# Altium PCB Audio-Streamer-Mainboard.PcbDoc (part 1 of 7) (continued)
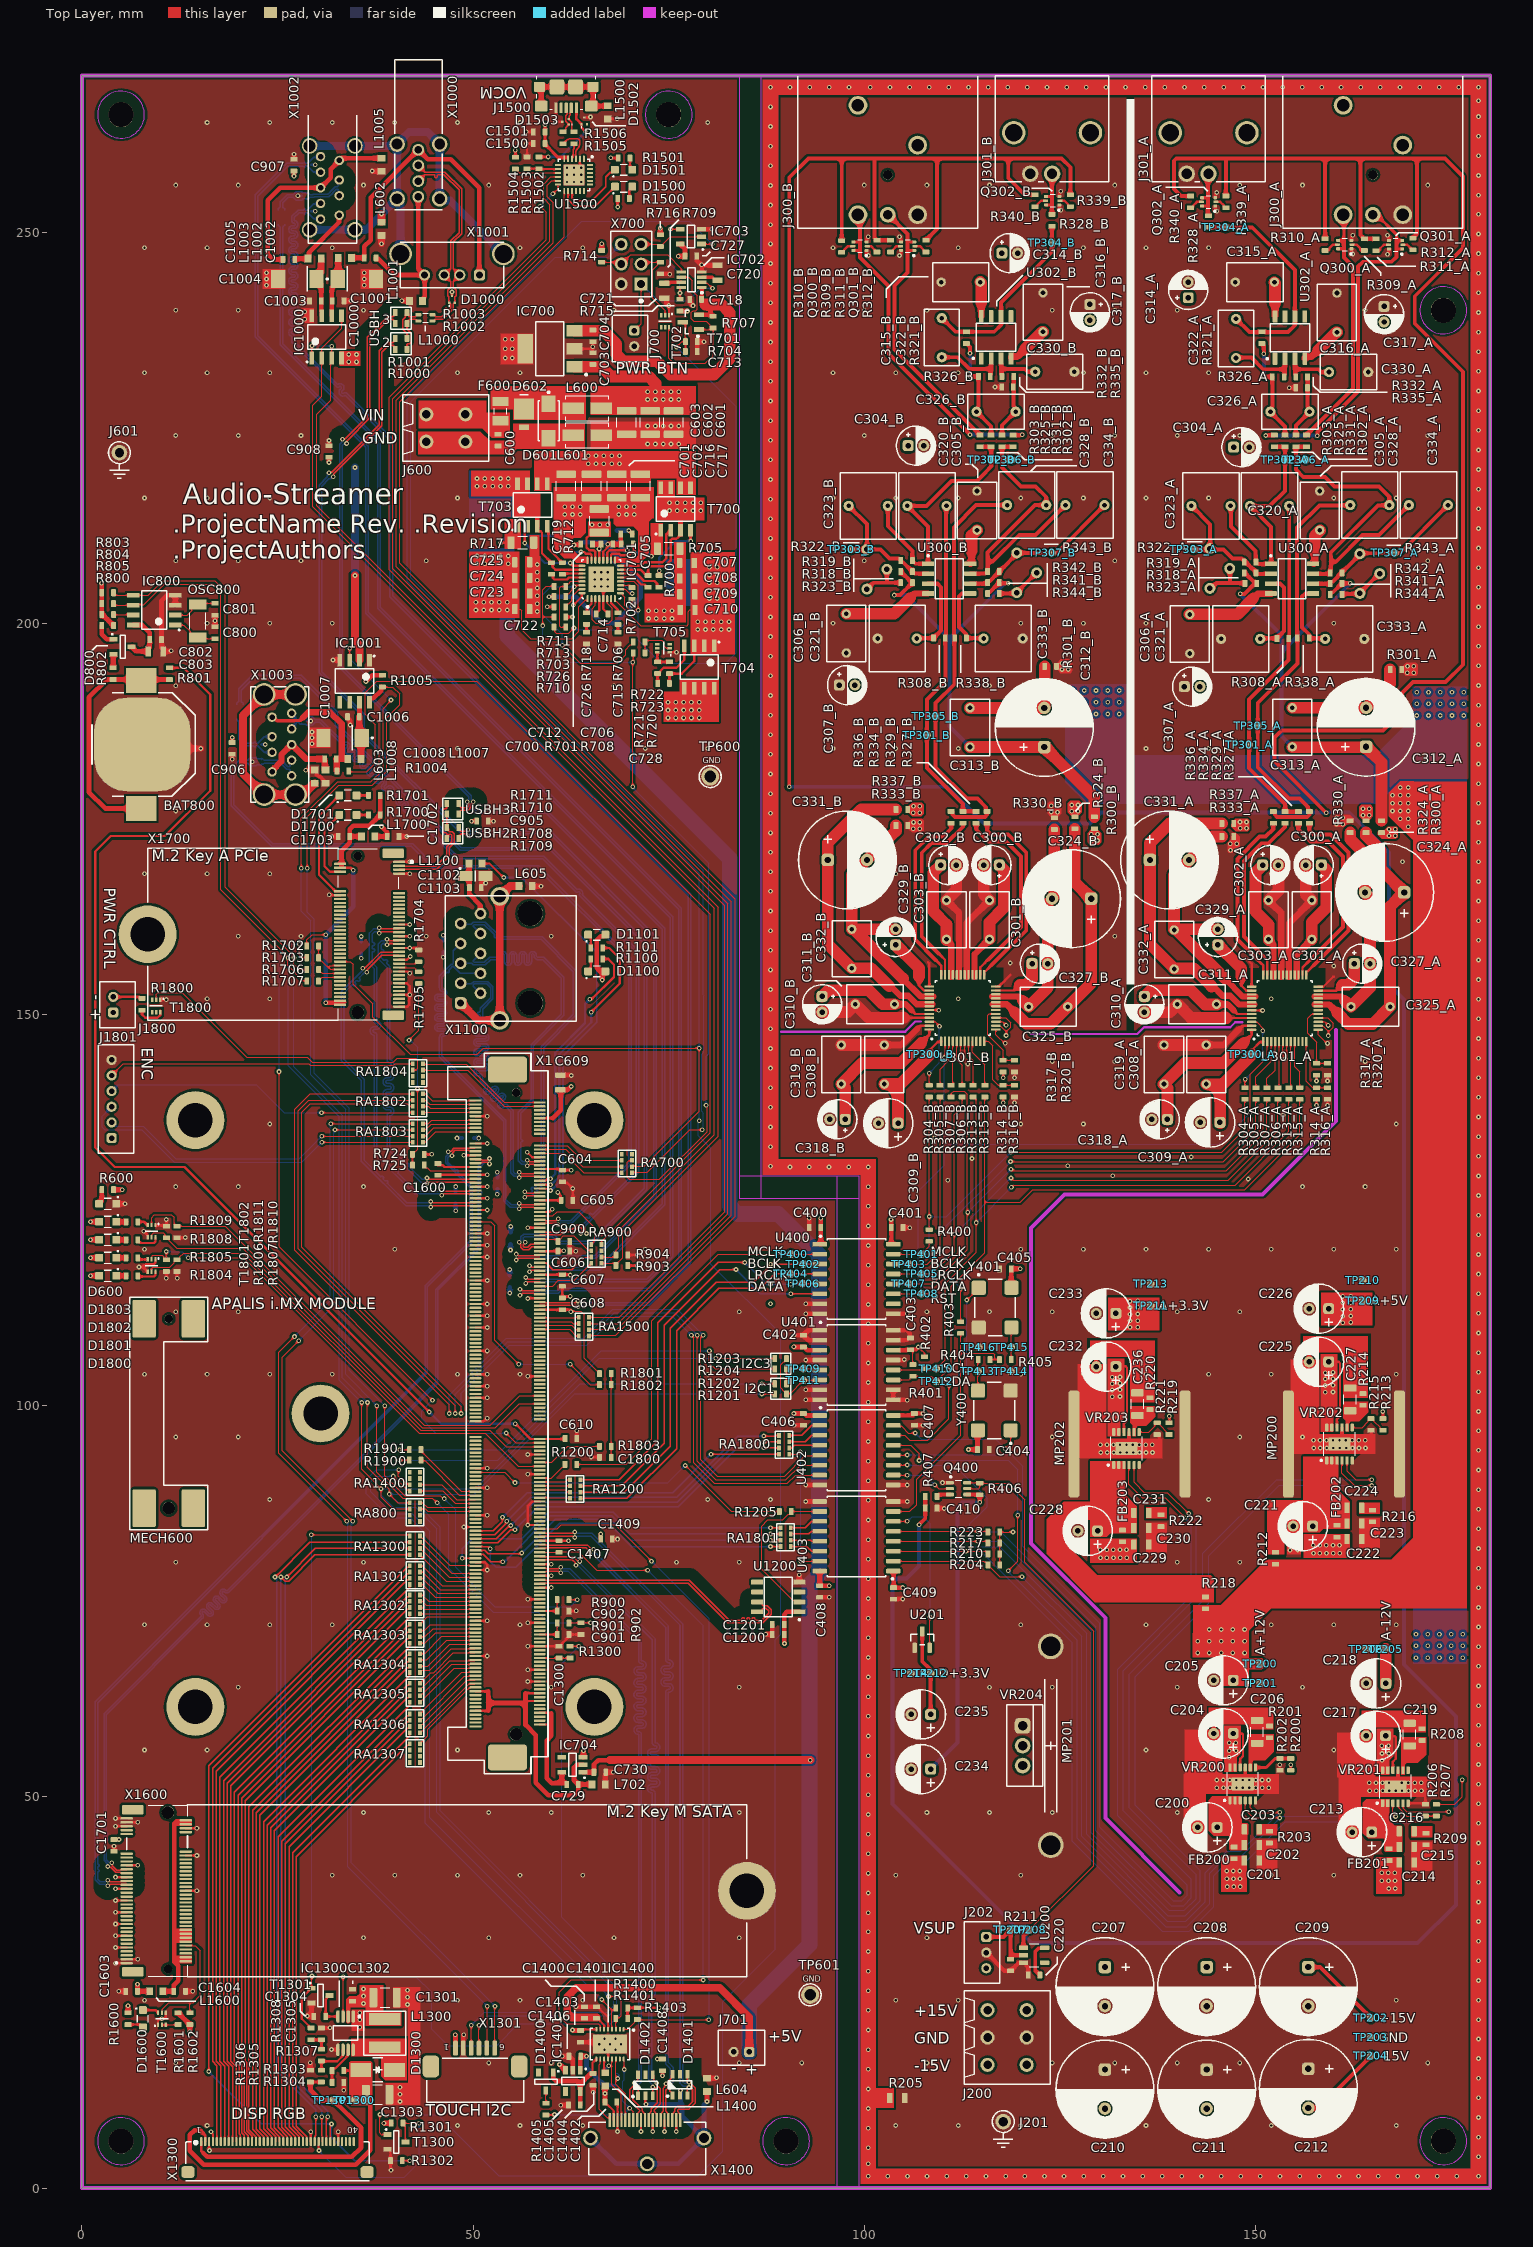
[diagram p0: Top Layer view]
## Classes and differential pairs
net class USBO1_SS: USBO1_SSRX_N USBO1_SSRX_P USBO1_SSTX_N USBO1_SSTX_P
net class USBO1_HS: USBO1_D_CON_N USBO1_D_CON_P USBO1_D_N USBO1_D_P
net class USBH_D_HS: USBH_D_CON_N USBH_D_CON_P USBH_D_FILT_N USBH_D_FILT_P
net class USBH4_SS: USBH4_SSRX_N USBH4_SSRX_P USBH4_SSTX_N USBH4_SSTX_P
net class USBH4_HS: USBH4_D_CON_N USBH4_D_CON_P USBH4_D_N USBH4_D_P
net class USBH3_HS: USBH3_D_N USBH3_D_P
net class USBH2_HS: USBH2_D_N USBH2_D_P
net class HDMI: HDMI1_TXC_N HDMI1_TXC_P HDMI1_TXD0_N HDMI1_TXD0_P HDMI1_TXD1_N HDMI1_TXD1_P HDMI1_TXD2_N HDMI1_TXD2_P
net class SATA: SATA1_RX_N SATA1_RX_P SATA1_TX_N SATA1_TX_P
net class PCIe: PCIE1_CLK_N PCIE1_CLK_P PCIE1_RX_N PCIE1_RX_P PCIE1_TX_N PCIE1_TX_P
net class LVDS: MCLK_N MCLK_P
net class Ethernet: ETH1_MDI0_N ETH1_MDI0_P ETH1_MDI1_N ETH1_MDI1_P ETH1_MDI2_N ETH1_MDI2_P ETH1_MDI3_N ETH1_MDI3_P
component class Miscellaneous: R1900 R1901
component class Audio: C1200 C1201 R1200 R1201 R1202 R1203 R1204 R1205 RA1200 U1200
channel class Audio-Out: A B
component class B: C300_B C301_B C302_B C303_B C304_B C305_B C306_B C307_B C308_B C309_B C310_B C311_B C312_B C313_B C314_B C315_B C316_B C317_B C318_B C319_B C320_B C321_B C322_B C323_B C324_B C325_B C326_B C327_B C328_B C329_B C330_B C331_B C332_B C333_B C334_B J300_B J301_B Q300_B Q301_B Q302_B R300_B R301_B R302_B R303_B R304_B R305_B R306_B R307_B R308_B R309_B R310_B R311_B R312_B R313_B R314_B R315_B R316_B R317_B R318_B R319_B R320_B R321_B R322_B R323_B R324_B R325_B R326_B R327_B R328_B R329_B R330_B R331_B R332_B R333_B R334_B R335_B R336_B R337_B R338_B R339_B R340_B R341_B R342_B R343_B R344_B TP300_B TP301_B TP302_B TP303_B TP304_B TP305_B TP306_B TP307_B U300_B U301_B U302_B
component class A: C300_A C301_A C302_A C303_A C304_A C305_A C306_A C307_A C308_A C309_A C310_A C311_A C312_A C313_A C314_A C315_A C316_A C317_A C318_A C319_A C320_A C321_A C322_A C323_A C324_A C325_A C326_A C327_A C328_A C329_A C330_A C331_A C332_A C333_A C334_A J300_A J301_A Q300_A Q301_A Q302_A R300_A R301_A R302_A R303_A R304_A R305_A R306_A R307_A R308_A R309_A R310_A R311_A R312_A R313_A R314_A R315_A R316_A R317_A R318_A R319_A R320_A R321_A R322_A R323_A R324_A R325_A R326_A R327_A R328_A R329_A R330_A R331_A R332_A R333_A R334_A R335_A R336_A R337_A R338_A R339_A R340_A R341_A R342_A R343_A R344_A TP300_A TP301_A TP302_A TP303_A TP304_A TP305_A TP306_A TP307_A U300_A U301_A U302_A
net class DDC[0..1]: DDC0 DDC1
component class HDMI: C1400 C1401 C1402 C1403 C1404 C1405 C1406 C1407 C1408 C1409 D1400 D1401 D1402 IC1400 IC1401 L1400 R1400 R1401 R1402 R1403 R1404 R1405 RA1400 X1400
component class "Digital Isolator": C400 C401 C402 C403 C404 C405 C406 C407 C408 C409 C410 Q400 R400 R401 R402 R403 R404 R405 R406 R407 TP400 TP401 TP402 TP403 TP404 TP405 TP406 TP407 TP408 TP409 TP410 TP411 TP412 TP413 TP414 TP415 TP416 U400 U401 U402 U403 Y400 Y401
net class UART[0..16]: UART0 UART1 UART2 UART3 UART4 UART5 UART6 UART7 UART8 UART9 UART10 UART11 UART12 UART13 UART14 UART15 UART16
component class USB: C900 C901 C902 C903 C904 C905 C906 C907 C908 R900 R901 R902 R903 R904 RA900
component class USB_Connectors: C1000 C1001 C1002 C1003 C1004 C1005 C1006 C1007 C1008 D1000 D1001 D1002 D1003 D1004 D1005 D1006 IC1000 IC1001 L1000 L1001 L1002 L1003 L1004 L1005 L1006 L1007 L1008 R1000 R1001 R1002 R1003 R1004 R1005 X1000 X1001 X1002 X1003
component class Serial: C1500 C1501 D1500 D1501 D1502 D1503 J1500 L1500 R1500 R1501 R1502 R1503 R1504 R1505 R1506 RA1500 U1500
component class Sata: C1600 C1601 C1602 C1603 C1604 D1600 L1600 R1600 R1601 R1602 T1600 X1600
component class RTC: BAT800 C800 C801 C802 C803 D800 IC800 OSC800 R800 R801 R802 R803 R804 R805 RA800
component class RGB_Display: C1300 C1301 C1302 C1303 C1304 C1305 D1300 IC1300 L1300 R1300 R1301 R1302 R1303 R1304 R1305 R1306 R1307 R1308 RA1300 RA1301 RA1302 RA1303 RA1304 RA1305 RA1306 RA1307 T1300 T1301 TP1300 TP1301 X1300 X1301
component class Power_Switch: C700 C701 C702 C703 C704 C705 C706 C707 C708 C709 C710 C711 C712 C713 C714 C715 C716 C717 C718 C719 C720 C721 C722 C723 C724 C725 C726 C727 C728 C729 C730 IC700 IC701 IC702 IC703 IC704 J700 J701 L700 L701 L702 R700 R701 R702 R703 R704 R705 R706 R707 R708 R709 R710 R711 R712 R713 R714 R715 R716 R717 R718 R719 R720 R721 R722 R723 R724 R725 R726 RA700 T700 T701 T702 T703 T704 T705 X700
component class Power_Supply: C600 C601 C602 C603 C604 C605 C606 C607 C608 C609 C610 D600 D601 D602 F600 J600 J601 JMP2 JMP3 L600 L601 L602 L603 L604 L605 MECH3 MECH4 MECH5 MECH6 MECH7 MECH8 MECH20 MECH21 MECH600 PCB1 R600 TP600 TP601 X1
component class PCI_Express: C1700 C1701 C1702 C1703 D1700 D1701 L1700 R1700 R1701 R1702 R1703 R1704 R1705 R1706 R1707 R1708 R1709 R1710 R1711 X1700
component class Extension: C1800 D1800 D1801 D1802 D1803 J1800 J1801 R1800 R1801 R1802 R1803 R1804 R1805 R1806 R1807 R1808 R1809 R1810 R1811 RA1800 RA1801 RA1802 RA1803 RA1804 T1800 T1801 T1802
component class Ethernet: C1100 C1101 C1102 C1103 D1100 D1101 L1100 R1100 R1101 X1100
component class "Audio Power Supply": C200 C201 C202 C203 C204 C205 C206 C207 C208 C209 C210 C211 C212 C213 C214 C215 C216 C217 C218 C219 C220 C221 C222 C223 C224 C225 C226 C227 C228 C229 C230 C231 C232 C233 C234 C235 C236 FB200 FB201 FB202 FB203 J200 J201 J202 MP200 MP201 MP202 R200 R201 R202 R203 R204 R205 R206 R207 R208 R209 R210 R211 R212 R213 R214 R215 R216 R217 R218 R219 R220 R221 R222 R223 TP200 TP201 TP202 TP203 TP204 TP205 TP206 TP207 TP208 TP209 TP210 TP211 TP212 TP213 TP214 U200 U201 VR200 VR201 VR202 VR203 VR204
differential pair MCLK: +MCLK_P -MCLK_N
differential pair VCOM: +VCOM_P -VCOM_N
differential pair VCOM_CON: +VCOM_CON_P -VCOM_CON_N
differential pair HDMI1_TXD2: +HDMI1_TXD2_P -HDMI1_TXD2_N
differential pair HDMI1_TXD1: +HDMI1_TXD1_P -HDMI1_TXD1_N
differential pair HDMI1_TXD0: +HDMI1_TXD0_P -HDMI1_TXD0_N
differential pair HDMI1_TXC: +HDMI1_TXC_P -HDMI1_TXC_N
differential pair USBO1_SSTX: +USBO1_SSTX_P -USBO1_SSTX_N
differential pair USBO1_SSRX: +USBO1_SSRX_P -USBO1_SSRX_N
differential pair USBO1_D: +USBO1_D_P -USBO1_D_N
differential pair USBO1_D_CON: +USBO1_D_CON_P -USBO1_D_CON_N
differential pair USBH_PCIE: +USBH_PCIE_P -USBH_PCIE_N
differential pair USBH_D_FILT: +USBH_D_FILT_P -USBH_D_FILT_N
differential pair USBH_D_CON: +USBH_D_CON_P -USBH_D_CON_N
differential pair USBH4_SSTX: +USBH4_SSTX_P -USBH4_SSTX_N
differential pair USBH4_SSRX: +USBH4_SSRX_P -USBH4_SSRX_N
differential pair USBH4_D: +USBH4_D_P -USBH4_D_N
differential pair USBH4_D_CON: +USBH4_D_CON_P -USBH4_D_CON_N
differential pair USBH3_D: +USBH3_D_P -USBH3_D_N
differential pair USBH2_D: +USBH2_D_P -USBH2_D_N
differential pair SATA1_TX: +SATA1_TX_P -SATA1_TX_N
differential pair SATA1_RX: +SATA1_RX_P -SATA1_RX_N
differential pair PCIE1_TX: +PCIE1_TX_P -PCIE1_TX_N
differential pair PCIE1_RX: +PCIE1_RX_P -PCIE1_RX_N
differential pair PCIE1_CLK: +PCIE1_CLK_P -PCIE1_CLK_N
differential pair ETH1_MDI3: +ETH1_MDI3_P -ETH1_MDI3_N
differential pair ETH1_MDI2: +ETH1_MDI2_P -ETH1_MDI2_N
differential pair ETH1_MDI1: +ETH1_MDI1_P -ETH1_MDI1_N
differential pair ETH1_MDI0: +ETH1_MDI0_P -ETH1_MDI0_N

## Components (designator, comment, footprint, x,y, rotation, side; value= is the part's Value field where it differs from the comment)
BAT800 "Keystone-3000" T_Keystone_3000 7.578,184.5 r90 top
C200 "22µF" CAP-6.3-5.5-2.5 143.85,46.1 r180 top
C201 "DNP" SMD0805CAP 149.518,41.853 r180 top
C202 "DNP" SMD0805CAP 149.518,43.853 r180 top
C203 "DNP" SMD0805CAP 149.518,45.853 r180 top
C204 "22µF" CAP-6.3-5.5-2.5 145.9,58.1 r180 top
C205 "DNP" CAP-6.3-5.5-2.5 145.9,64.9 r180 top
C206 "4.7µF" SMD1206CAP 150.2,58.3 r90 top
C207 "470µF" CAP-12.5-20-5 130.75,25.75 r270 top
C208 "470µF" CAP-12.5-20-5 143.75,25.75 r270 top
C209 "DNP" CAP-12.5-20-5 156.75,25.75 r270 top
C210 "470µF" CAP-12.5-20-5 130.75,12.65 r270 top
C211 "470µF" CAP-12.5-20-5 143.75,12.65 r270 top
C212 "DNP" CAP-12.5-20-5 156.75,12.75 r270 top
C213 "22µF" CAP-6.3-5.5-2.5 163.6,45.5 r180 top
C214 "DNP" SMD0805CAP 169.325,41.616 r180 top
C215 "DNP" SMD0805CAP 169.325,43.616 r180 top
C216 "DNP" SMD0805CAP 169.325,45.616 r180 top
C217 "22µF" CAP-6.3-5.5-2.5 165.375,57.816 r180 top
C218 "DNP" CAP-6.3-5.5-2.5 165.4,64.5 r180 top
C219 "4.7µF" SMD1206CAP 169.7,57.961 r90 top
C220 "10nF" SMD0603CAP 121.69,27.22 r0 top
C221 "22µF" CAP-6.3-5.5-2.5 156.05,84.6 r180 top
C222 "DNP" SMD0805CAP 162.641,82.95 r180 top
C223 "DNP" SMD0805CAP 162.641,84.95 r180 top
C224 "DNP" SMD0805CAP 162.641,86.95 r180 top
C225 "22µF" CAP-6.3-5.5-2.5 158.1,105.6 r180 top
C226 "DNP" CAP-6.3-5.5-2.5 158.1,112.4 r180 top
C227 "4.7µF" SMD1206CAP 162.1,100.8 r90 top
C228 "22µF" CAP-6.3-5.5-2.5 128.556,84 r180 top
C229 "DNP" SMD0805CAP 135.4,82.25 r180 top
C230 "DNP" SMD0805CAP 135.4,84.367 r180 top
C231 "DNP" SMD0805CAP 135.4,86.3 r180 top
C232 "22µF" CAP-6.3-5.5-2.5 130.9,104.99 r180 top
C233 "DNP" CAP-6.3-5.5-2.5 130.9,111.8 r180 top
C234 "22µF" CAP-6.3-5.5-2.5 107.225,53.545 r180 top
C235 "22µF" CAP-6.3-5.5-2.5 107.225,60.545 r180 top
C236 "4.7µF" SMD1206CAP 134.9,100.2 r90 top
C300_A "10µF" CAP-5-11.5-2 157.425,169.1 r180 top (schematic designator C300)
C300_B "10µF" CAP-5-11.5-2 116.25,169.101 r180 top (schematic designator C300)
C301_A "100nF" CAP_WIMA_MKP4F 157.2,162.1 r270 top (schematic designator C301)
C301_B "100nF" CAP_WIMA_MKP4F 116,162.1 r270 top (schematic designator C301)
C302_A "10µF" CAP-5-11.5-2 151.9,169.101 r0 top (schematic designator C302)
C302_B "10µF" CAP-5-11.5-2 110.75,169.101 r0 top (schematic designator C302)
C303_A "100nF" CAP_WIMA_MKP4F 151.661,162.1 r270 top (schematic designator C303)
C303_B "100nF" CAP_WIMA_MKP4F 110.5,162.1 r270 top (schematic designator C303)
C304_A "10µF" CAP-5-11.5-2 148.2,222.5 r0 top (schematic designator C304)
C304_B "10µF" CAP-5-11.5-2 106.6,222.7 r0 top (schematic designator C304)
C305_A "100nF" CAP_WIMA_MKP4F 158.2,214.4 r270 top (schematic designator C305)
C305_B "100nF" CAP_WIMA_MKP4F 114.4,214.4 r270 top (schematic designator C305)
C306_A "100nF" CAP_WIMA_MKP4F 141.6,198.625 r270 top (schematic designator C306)
C306_B "100nF" CAP_WIMA_MKP4F 97.7,198.7 r270 top (schematic designator C306)
C307_A "10µF" CAP-5-11.5-2 141.9,191.9 r0 top (schematic designator C307)
C307_B "10µF" CAP-5-11.5-2 97.8,192.1 r0 top (schematic designator C307)
C308_A "100nF" CAP_WIMA_MKP4F 143.7,143.6 r270 top (schematic designator C308)
C308_B "100nF" CAP_WIMA_MKP4F 102.56,143.6 r270 top (schematic designator C308)
C309_A "1µF" CAP-6.3-11.2-2.5 144.2,136.2 r180 top (schematic designator C309)
C309_B "1µF" CAP-6.3-11.2-2.5 103.06,136.1 r180 top (schematic designator C309)
C310_A "10µF" CAP-5-11.5-2 135.8,151.3 r270 top (schematic designator C310)
C310_B "10µF" CAP-5-11.5-2 94.6,151.3 r270 top (schematic designator C310)
C311_A "100nF" CAP_WIMA_MKP4F 142.5,151.3 r0 top (schematic designator C311)
C311_B "100nF" CAP_WIMA_MKP4F 101.35,151.3 r0 top (schematic designator C311)
C312_A "470µF" CAP-12.5-20-5 164.125,186.7 r90 top (schematic designator C312)
C312_B "470µF" CAP-12.5-20-5 123,186.68 r90 top (schematic designator C312)
C313_A "100nF" CAP_WIMA_MKP4F 154.7,186.7 r270 top (schematic designator C313)
C313_B "100nF" CAP_WIMA_MKP4F 113.5,186.68 r270 top (schematic designator C313)
C314_A "10µF" CAP-5-11.5-2 141.4,242.6 r90 top (schematic designator C314)
C314_B "10µF" CAP-5-11.5-2 118.59,247.31 r0 top (schematic designator C314)
C315_A "100nF" CAP_WIMA_MKP4F 149.911,243.6 r0 top (schematic designator C315)
C315_B "100nF" CAP_WIMA_MKP4F 112.319,243.6 r0 top (schematic designator C315)
C316_A "100nF" CAP_WIMA_MKP4F 160.4,239.7 r90 top (schematic designator C316)
C316_B "100nF" CAP_WIMA_MKP4F 122.84,239.74 r90 top (schematic designator C316)
C317_A "10µF" CAP-5-11.5-2 166.425,239.5 r270 top (schematic designator C317)
C317_B "10µF" CAP-5-11.5-2 128.84,239.74 r270 top (schematic designator C317)
C318_A "10µF" CAP-5-11.5-2 137.741,136.582 r180 top (schematic designator C318)
C318_B "10µF" CAP-5-11.5-2 96.56,136.6 r180 top (schematic designator C318)
C319_A "100nF" CAP_WIMA_MKP4F 138.3,143.6 r270 top (schematic designator C319)
C319_B "100nF" CAP_WIMA_MKP4F 97.06,143.6 r270 top (schematic designator C319)
C320_A "33nF" CAP_WIMA_FKP2C 151.8,215 r180 top (schematic designator C320)
C320_B "33nF" CAP_WIMA_FKP2C 108,215 r180 top (schematic designator C320)
C321_A "22nF" CAP_WIMA_FKP2C 148.1,198 r0 top (schematic designator C321)
C321_B "22nF" CAP_WIMA_FKP2C 104.2,198.05 r0 top (schematic designator C321)
C322_A "1.5nF" CAP_WIMA_FKP2D 147.5,236.4 r270 top (schematic designator C322)
C322_B "1.5nF" CAP_WIMA_FKP2D 109.9,236.5 r270 top (schematic designator C322)
C323_A "15nF" CAP_WIMA_FKP2C 144.3,215 r180 top (schematic designator C323)
C323_B "15nF" CAP_WIMA_FKP2C 100.5,215 r180 top (schematic designator C323)
C324_A "470µF" CAP-12.5-20-5 166.5,165.6 r180 top (schematic designator C324)
C324_B "470µF" CAP-12.5-20-5 126.49,164.8 r180 top (schematic designator C324)
C325_A "100nF" CAP_WIMA_MKP4F 164.7,151 r0 top (schematic designator C325)
C325_B "100nF" CAP_WIMA_MKP4F 123.5,151 r0 top (schematic designator C325)
C326_A "2.2nF" CAP_WIMA_FKP2D 154.4,227.04 r0 top (schematic designator C326)
C326_B "2.2nF" CAP_WIMA_FKP2D 116.84,227.04 r0 top (schematic designator C326)
C327_A "10µF" CAP-5-11.5-2 163.63,156.5 r0 top (schematic designator C327)
C327_B "10µF" CAP-5-11.5-2 122.44,156.5 r0 top (schematic designator C327)
C328_A "33nF" CAP_WIMA_FKP2C 164.6,215.1 r0 top (schematic designator C328)
C328_B "33nF" CAP_WIMA_FKP2C 120.75,215.1 r0 top (schematic designator C328)
C329_A "10µF" CAP-5-11.5-2 145.2,159.9 r90 top (schematic designator C329)
C329_B "10µF" CAP-5-11.5-2 104,159.9 r90 top (schematic designator C329)
C330_A "1.5nF" CAP_WIMA_FKP2D 161.9,232.1 r180 top (schematic designator C330)
C330_B "1.5nF" CAP_WIMA_FKP2D 124.34,232.14 r180 top (schematic designator C330)
C331_A "470µF" CAP-12.5-20-5 139,169.75 r0 top (schematic designator C331)
C331_B "470µF" CAP-12.5-20-5 97.84,169.75 r0 top (schematic designator C331)
C332_A "100nF" CAP_WIMA_MKP4F 139.6,158.3 r90 top (schematic designator C332)
C332_B "100nF" CAP_WIMA_MKP4F 98.4,158.4 r90 top (schematic designator C332)
C333_A "22nF" CAP_WIMA_FKP2C 161.4,198 r180 top (schematic designator C333)
C333_B "22nF" CAP_WIMA_FKP2C 117.75,198.05 r180 top (schematic designator C333)
C334_A "15nF" CAP_WIMA_FKP2C 172.1,215.1 r0 top (schematic designator C334)
C334_B "15nF" CAP_WIMA_FKP2C 128.2,215.1 r0 top (schematic designator C334)
C400 "100nF" SMD0603CAP 93.7,122.75 r180 top
C401 "100nF" SMD0603CAP 104.2,122.75 r0 top
C402 "100nF" SMD0603CAP 92.2,108.25 r90 top
C403 "100nF" SMD0603CAP 105.9,107.9 r90 top
C404 "10nF" SMD0603CAP 115.213,94.39 r0 top
C405 "10nF" SMD0603CAP 118.024,117.49 r180 top
C406 "100nF" SMD0603CAP 92.2,98.25 r270 top
C407 "100nF" SMD0603CAP 106.4,98.25 r270 top
C408 "100nF" SMD0603CAP 94.3,76.25 r270 top
C409 "100nF" SMD0603CAP 103.74,76 r270 top
C410 "DNP" SMD0603CAP 108.54,86.9 r0 top
C600 "100nF" SMD0603CAP 53.2,223.4 r90 top
C601 "10uF" SMD1210CAP 75.615,225.65 r90 top
C602 "10uF" SMD1210CAP 72.615,225.65 r90 top
C603 "10uF" SMD1210CAP 69.615,225.65 r90 top
C604 "4.7uF" SMD0603CAP 61.4,129.35 r270 top
C605 "4.7uF" SMD0603CAP 62,126.25 r0 top
C606 "4.7uF" SMD0603CAP 61.6,119.75 r0 top
C607 "4.7uF" SMD0603CAP 61.4,116 r270 top
C608 "4.7uF" SMD0603CAP 61.4,113 r90 top
C609 "22uF" SMD0805CAP 61.136,141.3 r90 top
C610 "100nF" SMD0603CAP 62.5,95.8 r180 top
C700 "10uF" SMD0603CAP 64.5,210.1 r0 top
C701 "10uF" SMD1210CAP 61.879,217.55 r90 top
C702 "10uF" SMD1210CAP 65.129,217.55 r90 top
C703 "100nF" SMD0603CAP 65.3,233.832 r270 top
C704 "10uF" SMD0603CAP 65.3,236.732 r90 top
C705 "100nF" SMD0603CAP 72.374,205.35 r270 top
C706 "1uF" SMD0603CAP 69.6,211.4 r180 top
C707 "47uF" SMD0805CAP 77.33,207.7 r0 top
C708 "47uF" SMD0805CAP 77.355,205.7 r0 top
C709 "47uF" SMD0805CAP 77.379,203.7 r0 top
C710 "47uF" SMD0805CAP 77.41,201.7 r0 top
C711 "10uF" SMD0603CAP 68.379,211.1 r270 bottom
C712 "10uF" SMD1210CAP 66.129,213.1 r270 top
C713 "1uF" SMD0603CAP 77.885,234.735 r180 top
C714 "1nF" SMD0603CAP 66.5,201.2 r180 top
C715 "470pF" SMD0603CAP 68.5,198.1 r90 top
C716 "10uF" SMD1210CAP 68.379,217.55 r90 top
C717 "10uF" SMD1210CAP 71.379,217.55 r90 top
C718 "100nF" SMD0603CAP 78.435,241.4 r0 top
C719 "100nF" SMD0603CAP 60,207 r270 top
C720 "330nF" SMD0805CAP 81.235,244.8 r270 top
C721 "330nF" SMD0805CAP 74.435,242.5 r90 top
C722 "47uF" SMD0805CAP 56.279,201.8 r180 top
C723 "47uF" SMD0805CAP 56.279,203.8 r180 top
C724 "47uF" SMD0805CAP 56.279,205.8 r180 top
C725 "47uF" SMD0805CAP 56.279,207.8 r180 top
C726 "680pF" SMD0603CAP 64.5,198.1 r90 top
C727 "100nF" SMD0603CAP 77.835,246.91 r0 top
C728 "10nF" SMD0603CAP 74.339,192.315 r0 top
C729 "2.2uF" SMD0603CAP 62.7,51.6 r180 top
C730 "2.2uF" SMD0603CAP 66.2,53.15 r180 top
C800 "27pF" SMD0603CAP 17.02,198.786 r90 top
C801 "27pF" SMD0603CAP 17.02,201.786 r270 top
C802 "100nF" SMD0603CAP 9.425,197.908 r180 top
C803 "22uF" SMD0805CAP 9.425,196.408 r0 top
C900 "1nF" SMD0603CAP 61.6,121 r180 top
C901 "100pF" SMD0603CAP 61.5,70.75 r180 top
C902 "100pF" SMD0603CAP 61.5,73.75 r180 top
C903 "10nF" SMD0603CAP 54.7,115.9 r90 bottom
C904 "10nF" SMD0603CAP 54.771,121.4 r90 bottom
C905 "10nF" SMD0603CAP 51.2,174.7 r180 top
C906 "10nF" SMD0603CAP 19.2,184 r90 top
C907 "10nF" SMD0603CAP 27.1,258.55 r270 top
C908 "10nF" SMD0603CAP 31.574,221.95 r270 top
C1000 "100nF" SMD0603CAP 32.75,241.2 r180 top
C1001 "100uF" CAPMP6032X280N 35.15,244 r0 top
C1002 "1nF" SMD0603CAP 36.85,246.7 r180 top
C1003 "100nF" SMD0603CAP 29.85,241.2 r0 top
C1004 "100uF" CAPMP6032X280N 27.55,244 r180 top
C1005 "1nF" SMD0603CAP 26.45,246.5 r0 top
C1006 "100nF" SMD0603CAP 34.7,188.05 r0 top
C1007 "100uF" CAPMP6032X280N 33.321,185.35 r180 top
C1008 "1nF" SMD0603CAP 31.771,182.65 r0 top
C1100 "10nF" SMD0603CAP 53.1,128.42 r270 bottom
C1101 "10nF" SMD0603CAP 46.2,158.725 r90 bottom
C1102 "47uF" T_CAPMP3216X180N 50.293,167.7 r0 top
C1103 "100nF" SMD0603CAP 50.293,166.2 r180 top
C1200 "1nF" SMD0603CAP 89,70.75 r180 top
C1201 "100nF" SMD0603CAP 89,72.05 r180 top
C1300 "1nF" SMD0603CAP 61,68.5 r270 top
C1301 "10uF" SMD1210CAP 38.75,24.355 r180 top
C1302 "100nF" SMD0603CAP 34.6,24.647 r90 top
C1303 "10uF" SMD1210CAP 37.8,11.955 r180 top
C1304 "100nF 16V" SMD0603CAP 30.4,21.93 r0 top value=100nF
C1305 "100nF 16V" SMD0603CAP 30.6,19.705 r270 top value=100nF
C1400 "10uF" SMD0603CAP 64.25,22.44 r270 top
C1401 "100nF" SMD0603CAP 65.75,22.44 r90 top
C1402 "100nF" SMD0603CAP 67.6,10.982 r180 top
C1403 "100nF" SMD0603CAP 63.75,19.4 r90 top
C1404 "100nF" SMD0603CAP 65.35,13.9 r90 top
C1405 "2.2uF" SMD0603CAP 62.95,10.605 r0 top
C1406 "2.2uF" SMD0603CAP 63,16.851 r0 top
C1407 "1nF" SMD0603CAP 61,82 r270 top
C1408 "10nF" SMD0603CAP 74.2,15.75 r90 top
C1409 "10nF" SMD0603CAP 67.05,82.95 r180 top
C1500 "2.2uF" SMD0603CAP 58.45,261.3 r0 top
C1501 "100nF" SMD0603CAP 58.45,262.8 r0 top
C1600 "1nF" SMD0603CAP 45.5,130.2 r90 top
C1601 "10nF" SMD0603CAP 47.765,126.6 r90 bottom
C1602 "10nF" SMD0603CAP 35.7,158.57 r90 bottom
C1603 "10uF" SMD0603CAP 6.358,25.15 r0 top
C1604 "10uF" SMD0603CAP 12.5,25.15 r180 top
C1700 "10nF" SMD0603CAP 49.338,134.2 r180 bottom
C1701 "10nF" SMD0603CAP 4.1,43.8 r90 top
C1702 "10uF" SMD0603CAP 39.775,172.75 r180 top
C1703 "10uF" SMD0603CAP 33.5,172.75 r0 top
C1800 "100nF" SMD0603CAP 66.9,93.4 r0 top
D600 "green" LED 3.3,125.8 r0 top
D601 "D-Littelfuse-SMAJ30CA-Schottky" T_LITTLEFUSE_SMAJ30CA 59.65,225.868 r270 top
D602 "SS3P3" T_VISHAY_SS3P3 56.5,226.6 r270 top
D800 "BAT54C" SOT95P230X110-3N 5.2,197 r0 top
D1000 "TPD2EUSB30DRTR" T_TI_TPD2EUSB30DRTR 47.3,241.4 r90 top
D1001 "TPD2EUSB30DRTR" T_TI_TPD2EUSB30DRTR 28.9,258.6 r0 bottom
D1002 "TPD2EUSB30DRTR" T_TI_TPD2EUSB30DRTR 28.9,252.65 r0 bottom
D1003 "TPD2EUSB30DRTR" T_TI_TPD2EUSB30DRTR 28.543,254.62 r180 bottom
D1004 "TPD2EUSB30DRTR" T_TI_TPD2EUSB30DRTR 22.5,184.5 r0 bottom
D1005 "TPD2EUSB30DRTR" T_TI_TPD2EUSB30DRTR 22.7,182.3 r180 bottom
D1006 "TPD2EUSB30DRTR" T_TI_TPD2EUSB30DRTR 28.3,187.5 r0 bottom
D1100 "green" LED 65.8,155.5 r180 top
D1101 "green" LED 65.8,160.2 r180 top